# Altium PCB 3-as-manufactured.PcbDoc (part 8 of 16)
Units mil, origin at the board's own origin, x right, y up, seen from the top; angles counter-clockwise.
Board outline 4130.55 x 4250 mil, 8 copper layers (L1_TOP, L2_GND, L3_INT, L4_PWR, L5_PWR, L6_INT, L7_GND, L8_BOT), stack 61 mil thick; 584 components, 489 nets, 2229 pads, 1894 vias.
Unrouted connection lines stored in the file: 4.
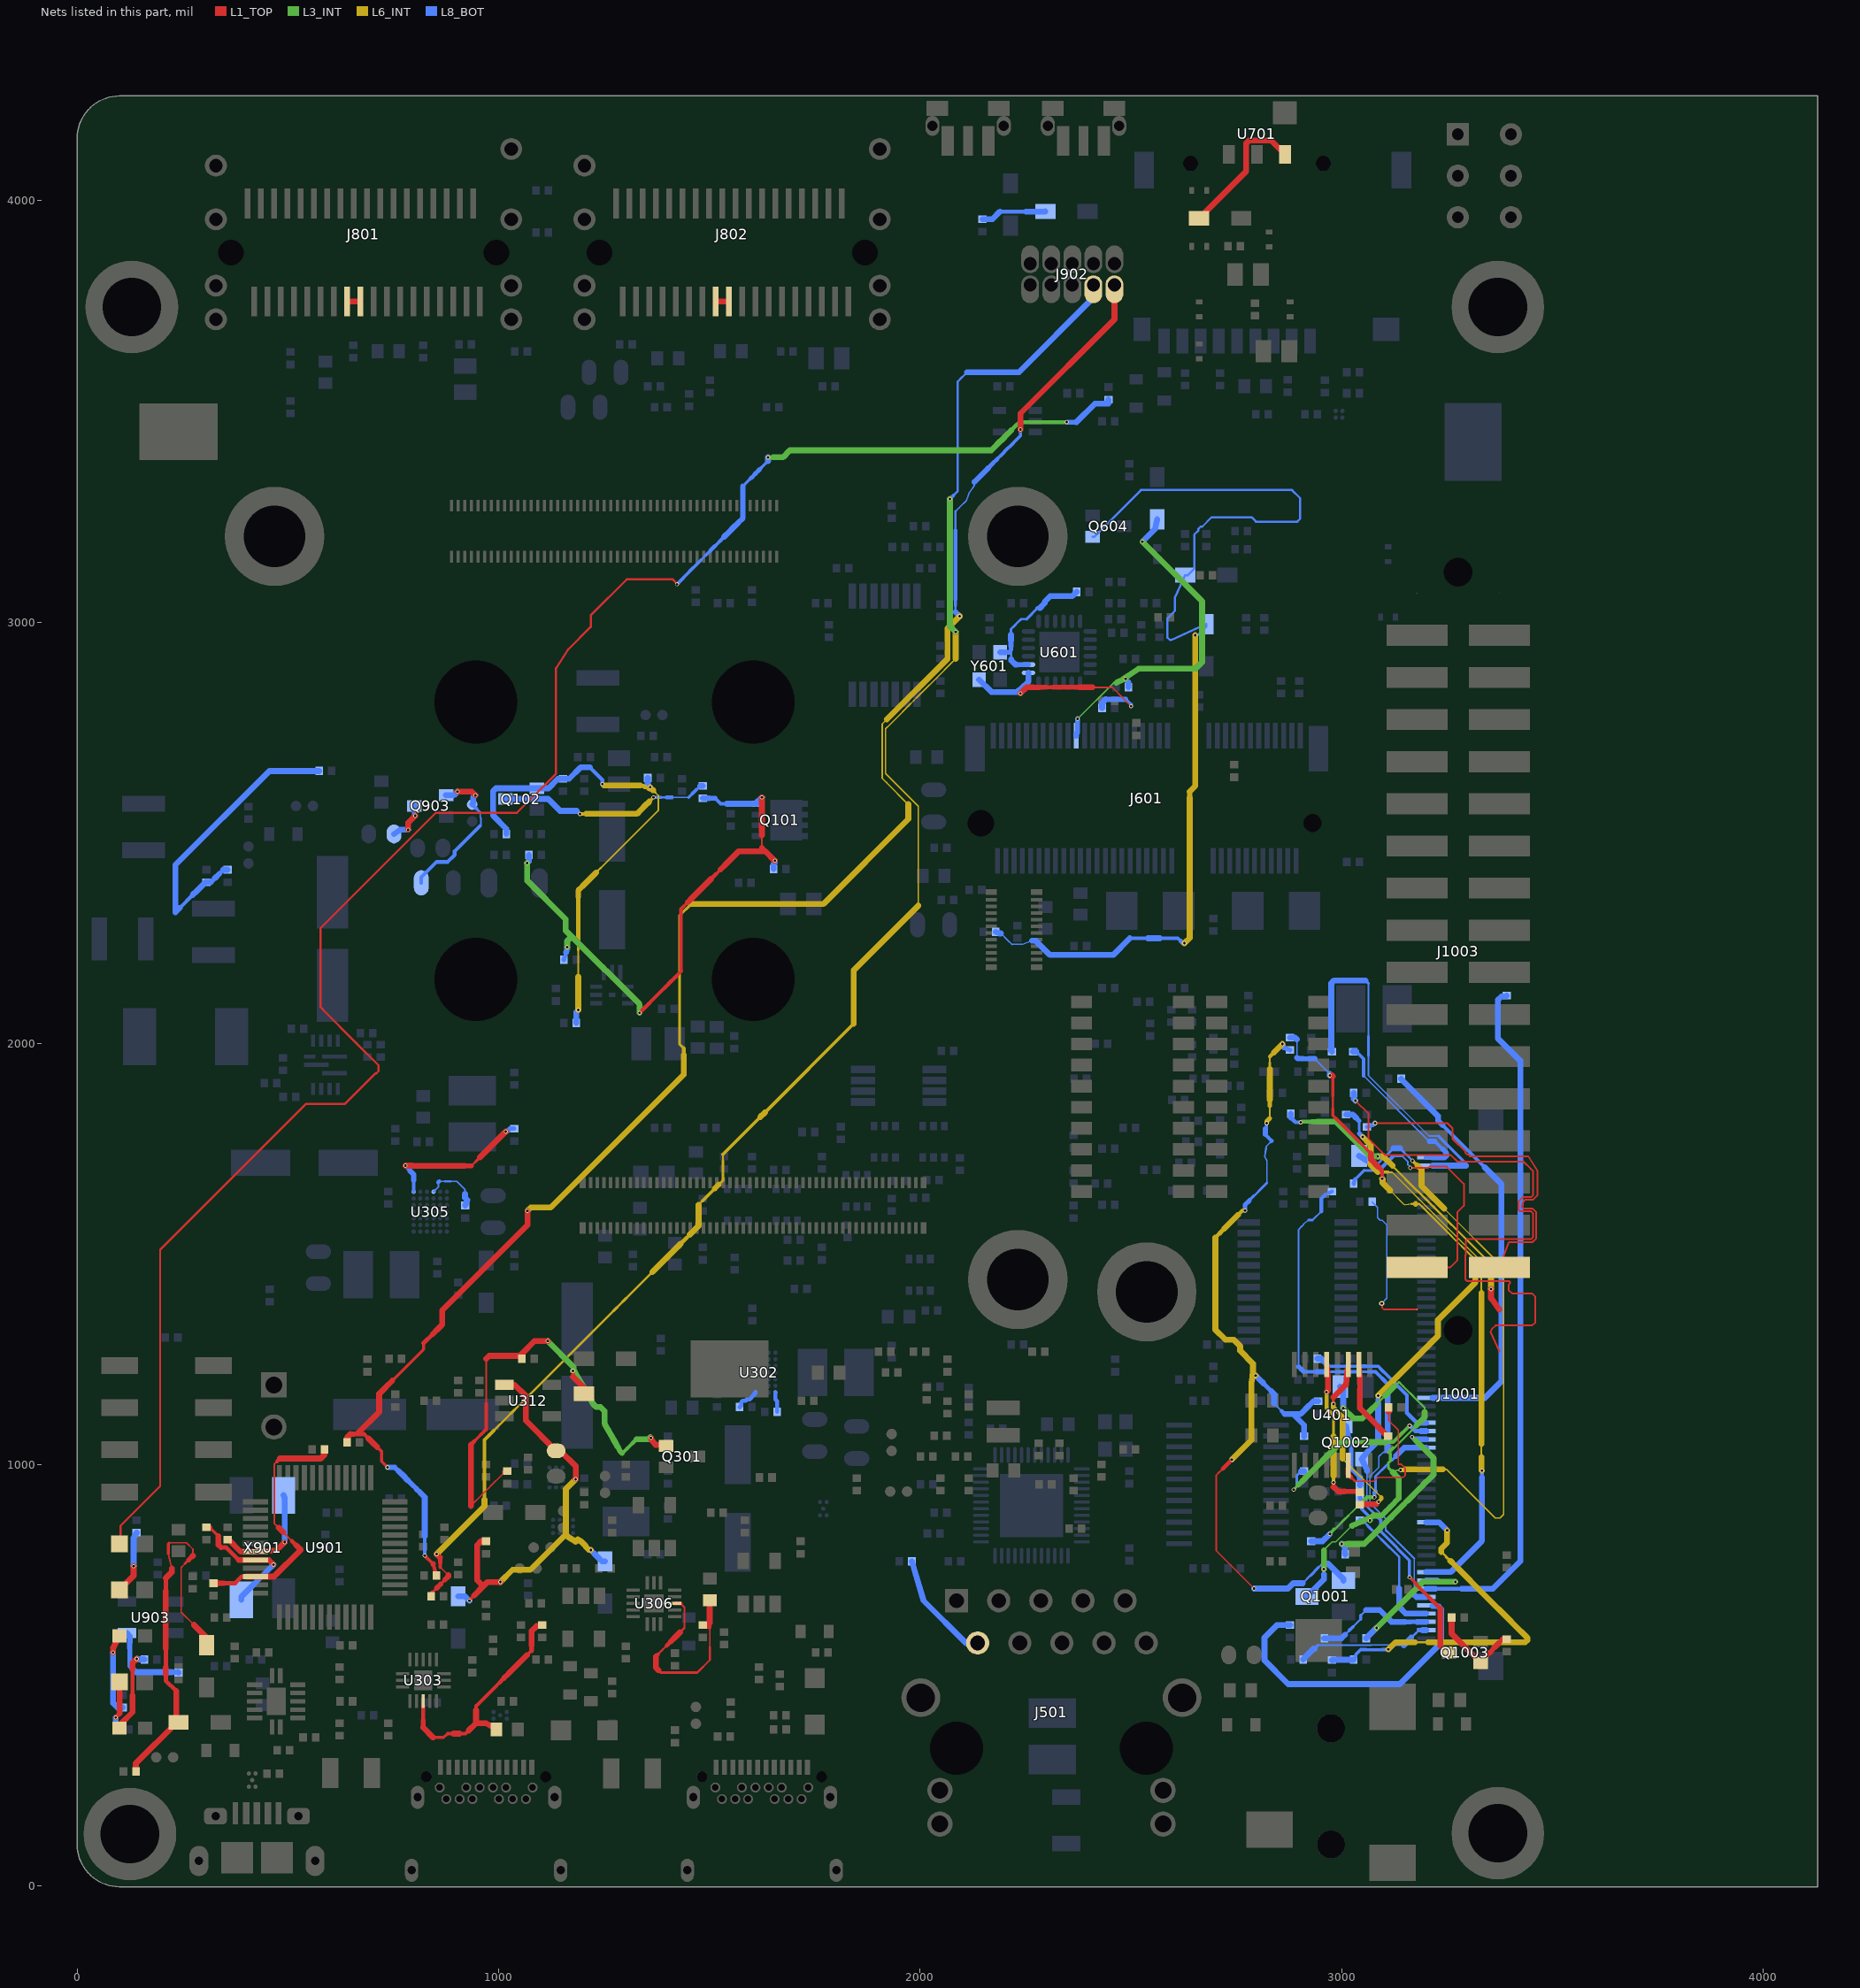
[diagram p14: the nets of this part, all layers, seen from the top]

## Via types
v1: diameter 10, hole 5.9, L1_TOP to L8_BOT, tented both sides, 1703 vias
v2: diameter 12, hole 5.9, L1_TOP to L8_BOT, tented both sides, 110 vias
v3: diameter 10, hole 6, L1_TOP to L8_BOT, tented both sides, 69 vias
v4: diameter 12, hole 6, L1_TOP to L8_BOT, tented both sides, 12 vias

## Nets (pads, with @x,y where several pads share a name; then routed paths per layer and width w, separated by ;. In a path a pad name is that pad's centre, name@x,y a point inside that pad or via, vN(x,y) a via of type N, cw(c..) or ccw(c..) an arc to the next point about the centre after c; other vN are vias at no path point) (continued)
NetC138_2: C138.2 C159.2 Q101.4 R125.2 R129.1 | length 1429.6
  L1_TOP w3.5: 1624.27,2464.92 1624.27,2494.33
  L1_TOP w7.92: 1433,2171.86 1432.35,2172.51 1432.35,2319.16 1448.55,2335.37 ; 1515.45,2402.27 1526.28,2413.09
  L1_TOP w8.94: v1(1334.16,2073.02) 1344.49,2083.35 1354.81,2093.67 1365.13,2104 1385.78,2124.64 1396.11,2134.97 1406.43,2145.29 1416.76,2155.62 1433,2171.86
  L1_TOP w9.96: 1504.3,2391.12 1515.45,2402.27
  L1_TOP w12.01: 1624.27,2464.92 1632.52,2456.67
  L1_TOP w13.03: 1526.28,2413.09 1537.1,2423.91
  L1_TOP w14.05: 1448.55,2335.37 1459.7,2346.52 1493.15,2379.97 1504.3,2391.12 ; 1537.1,2423.91 1569.57,2456.38 1632.23,2456.38 1654.77,2433.85 v1(1655.34,2433.85) ; 1624.27,2494.33 v1(1624.27,2584.29)
  L3_INT w14.05: v1(1067.46,2428.15) 1067.46,2386.32 1158.4,2295.37 1158.4,2268.78 1172.86,2254.32 ; v1(1162.12,2228.81) 1162.12,2243.59 1168.5,2249.97 1172.86,2254.32 ; v1(1334.16,2073.02) 1334.16,2093.02 1172.86,2254.32
  L8_BOT w7.92: 1513.37,2582.19 1520,2575.55 1526.63,2568.92
  L8_BOT w8.94: C138.2@1156.87,2206.91 1159.62,2216.08 ; 1526.63,2568.92 1541.28,2568.92
  L8_BOT w10.99: C138.2@1154.36,2198.5 C138.2@1156.87,2206.91 ; 1498.83,2582.19 1513.37,2582.19
  L8_BOT w13.03: 1599.84,2568.92 Q101.4@1610.86,2568.92
  L8_BOT w14.05: v1(1067.46,2428.15) 1071.42,2432.12 R125.2@1071.42,2447.52 ; 1159.62,2216.08 1162.37,2225.26 1162.37,2228.55 v1(1162.12,2228.81) ; R129.1@1484.31,2582.17 1498.83,2582.19 ; 1541.28,2568.92 1599.84,2568.92 ; Q101.4@1610.86,2568.92 1610.85,2570.87 v1(1624.27,2584.29) ; C159.2@1652.02,2414.32 1652.03,2426.49 1655.34,2429.8 v1(1655.34,2433.85)
NetC145_1: C145.1 Q102.1 R131.2 R133.1 R134.2 | length 1209.5
  L6_INT w3.83: 1241.3,2415.96 1262.39,2437.05 1272.94,2447.6 1346.75,2521.42 1357.3,2531.96 1378.39,2553.05 1378.39,2588.95 1372.22,2595.12
  L6_INT w4.85: 1188.57,2158.48 1188.57,2221.48 ; 1230.75,2405.42 1241.3,2415.96 ; 1366.06,2601.28 1372.22,2595.12
  L6_INT w5.87: 1188.57,2221.48 1188.57,2237.23
  L6_INT w7.92: v1(1245.66,2615.72) v1@1248.62,2612.76
  L6_INT w9.96: 1345.98,2609.53 v1@1355.69,2606.29
  L6_INT w10.99: 1188.57,2237.23 1188.57,2347.48 ; 1336.26,2612.76 1345.98,2609.53
  L6_INT w13.03: 1188.57,2347.48 1188.57,2363.23 1199.12,2373.78
  L6_INT w14.05: v1(1188.57,2079.73) 1188.57,2158.48 ; 1199.12,2373.78 1230.75,2405.42 ; v1@1248.62,2612.76 1336.26,2612.76 ; v1(1359.12,2608.19) 1357.23,2606.29 1355.69,2606.29 1357.97,2605.36 1361.32,2604 1366.04,2601.29
  L8_BOT w8.94: 1215.84,2655.34 1225.77,2645.4 1235.71,2635.46 1245.65,2625.53 v1(1245.66,2615.72)
  L8_BOT w9.96: 1183.87,2075.03 v1(1188.57,2079.73)
  L8_BOT w14.05: R133.1@1018,2497.33 1018.01,2509.45 986.58,2540.88 986.58,2599.08 993.36,2605.85 1090.48,2605.85 1117.91,2605.85 1140.35,2628.29 1167.09,2628.29 1194.14,2655.34 1215.84,2655.34 ; R134.2@1183.87,2049.11 1183.87,2075.03 ; R131.2@1353.43,2630.14 1353.42,2613.89 v1(1359.12,2608.19)
NetC160_1: C160.1 R135.2 R136.1 | length 711.6
  L8_BOT w8.94: 242.66,2321.61 252.88,2331.83 263.1,2342.06 273.33,2352.28
  L8_BOT w10.99: 316.79,2382.95 326.62,2392.79 ; 336.46,2402.62 C160.1@346.29,2412.46
  L8_BOT w14.05: 242.66,2321.61 232.43,2311.39 232.42,2423.45 455.69,2646.73 R136.1@573.76,2646.74 ; 273.33,2352.28 283.55,2362.51 293.77,2372.73 304,2382.95 316.79,2382.95 ; 326.62,2392.79 336.46,2402.62 ; C160.1@346.29,2412.46 C160.1@356.28,2412.48
NetC315_1: C315.1 U302.A6 | length 47.5
  L8_BOT w9.96: U302.A6@1656.38,1171.76 1656.39,1155.07 1660.52,1150.94 C315.1@1660.52,1126
NetC316_1: C316.1 U302.A3 | length 58.2
  L8_BOT w9.96: C316.1@1571.53,1137.05 1575.55,1141.07 1575.55,1149.11 1578.72,1152.28 1585.71,1152.28 1588.47,1155.04 1595.02,1155.04 1606.38,1166.39 1606.38,1168.99 U302.A3@1609.14,1171.76
NetC319_1: C319.1 R349.2 U303.3 | length 557.1
  L1_TOP w6.9: 844.07,353 869.14,353 878.1,361.96
  L1_TOP w7.92: 878.1,361.96 892.43,361.96 ; 906.77,361.96 921.1,361.96 928.44,369.31 ; 989.92,471.48 1000.92,482.47 ; 1066.89,548.45 1077.89,559.44
  L1_TOP w8.94: 945.94,417.58 945.94,427.5 989.92,471.48
  L1_TOP w9.96: 820.77,392.9 U303.3@820.77,428.31 ; 1000.92,482.47 1011.91,493.47
  L1_TOP w10.99: 820.77,377.43 820.77,392.9
  L1_TOP w12.01: 1077.89,559.44 1077.89,571.28
  L1_TOP w13.03: 1011.91,493.47 1022.91,504.46 ; 1077.89,571.28 1077.89,583.12
  L1_TOP w14.05: 820.77,377.43 820.77,376.3 844.07,353 ; 892.43,361.96 906.77,361.96 ; 928.44,369.31 945.94,386.81 ; 945.94,417.58 945.94,386.81 ; C319.1@994.24,372.33 969.66,386.8 945.94,386.81 ; 1022.91,504.46 1066.89,548.45 ; 1077.89,583.12 1077.89,605.55 1089.87,617.53 1100.78,617.53 R349.2@1102.77,619.51
NetC330_1: C330.1 U305.A6 | length 364.4
  L1_TOP w4.85: 935,1709.5 945.21,1719.71
  L1_TOP w6.9: 945.21,1719.71 955.42,1729.92
  L1_TOP w12.01: 919.32,1709.5 935,1709.5
  L1_TOP w14.05: v1(778.69,1710.01) 793.4,1710.01 793.92,1709.5 919.32,1709.5 ; 955.42,1729.92 v1(1016.68,1791.17)
  L8_BOT w7.92: U305.A6@797.98,1648.08 797.99,1675.46 ; v1(1016.68,1791.17) v1@1019.39,1791.17
  L8_BOT w9.96: v1(778.69,1710.01) 788.26,1700.44 788.26,1699.48
  L8_BOT w10.99: v1@1019.39,1791.17 1026.43,1798.21 C330.1@1036.41,1798.22
  L8_BOT w13.03: 788.26,1699.48 797.99,1689.16 797.99,1675.46
NetC333_1: C333.1 U305.A3 | length 140.3
  L8_BOT w3.5: 848.78,1651.63 856.46,1659.31
  L8_BOT w3.83: 856.46,1659.31 856.46,1670.47 ; 858.72,1672.73 872.16,1672.73 ; 885.59,1672.73 900.71,1672.73 919.66,1653.77 919.66,1643.13
  L8_BOT w4.85: U305.A3@845.22,1648.08 848.78,1651.63 ; 872.16,1672.73 885.59,1672.73
  L8_BOT w9.96: 856.46,1670.47 858.72,1672.73
  L8_BOT w14.05: 919.66,1643.13 919.66,1634.16 925.12,1628.69 C333.1@920.28,1615.61
NetC335_1: C335.1 R350.2 U306.3 | length 502.6
  L1_TOP w3.83: 1500.9,567.49 1500.9,613.59
  L1_TOP w4.85: 1376.61,549.11 1387.26,559.77 1397.92,570.43 ; 1429.9,602.4 1440.56,613.06 1440.56,661.92 U306.3@1431.32,671.16 ; 1471.11,506.96 1500.9,536.75 1500.9,567.49
  L1_TOP w5.87: 1378.58,512.85 1384.47,506.96 1471.11,506.96
  L1_TOP w6.9: 1498.74,615.74 1500.9,613.59
  L1_TOP w9.96: 1372.7,545.2 1376.61,549.11 ; 1397.92,570.43 1408.58,581.09 ; U306.3@1417.4,671.15 U306.3@1431.32,671.16
  L1_TOP w12.01: 1496.1,618.4 1498.74,615.75 1498.95,616.95 1500.37,625.11
  L1_TOP w14.05: 1372.7,545.2 1372.7,518.74 1378.58,512.85 ; 1408.58,581.09 1419.24,591.75 1429.9,602.4 ; R350.2@1484.31,619.51 1487.99,618.4 1496.1,618.4 ; 1500.37,625.11 1500.37,677.4 C335.1@1500.89,678.77
NetC339_1: C339.1 D308.C D309.C R355.1 U312.1 | length 1029.7
  L1_TOP w7.92: v1(930.5,677.45) 930.5,679.17 941.34,690.01
  L1_TOP w14.05: 941.34,690.01 963.02,711.69 ; R355.1@970.06,818.73 957.92,818.72 948.63,809.43 948.63,726.09 962.96,711.75 963.02,711.69 ; v1(1003.69,721.98) 973.31,721.98 963.02,711.69 ; U312.1@1013.49,1190 1037.12,1190 1064.34,1162.77 1064.34,1104.8 C339.1@1135.95,1033.18 1146.15,1033.19 1182.94,996.4 1182.94,966.94 1182.2,966.2 v1(1182.2,966)
  L6_INT w14.05: v1(1003.69,721.98) 1032.66,750.94 1074.9,750.94 1159,835.04 ; 1181.21,818.69 1165.61,828.43 1159,835.04 ; 1182.2,817.69 1187.51,823 ; v1(1182.2,966) 1159,942.8 1159,835.04 ; 1188.74,822.24 1192.4,819.95 1193.63,819.18 1195.65,817.92 1196.64,816.93 1204.99,808.58 1207.19,804.72 1213.23,798.68 v1(1218.63,797.63)
  L8_BOT w13.03: v1(1218.63,797.63) 1218.63,797.14 1226.27,789.51
  L8_BOT w14.05: D309.C@903.71,687.95 920.01,687.95 v1(930.5,677.45) ; 1226.27,789.51 1235.54,780.24 1244.81,770.97 D308.C@1252.07,770.96
NetC401_1: C401.1 U401.2 | length 199
  L1_TOP w10.99: U401.2@3041.26,1238.52 U401.2@3042.35,1223.5
  L1_TOP w13.03: U401.2@3042.35,1223.5 3043.43,1208.5 ; 3043.43,1178.83 3043.43,1193.67 ; 3076.71,1101.03 3087.81,1089.93
  L1_TOP w14.05: 3043.43,1178.83 3043.43,1134.32 3076.71,1101.03 ; 3043.43,1193.67 3043.43,1208.5 ; 3087.81,1089.93 3087.81,1088.92 3108.99,1067.74 C401.1@3109.98,1067.75
NetC404_2: C404.2 U401.14 | length 351.5
  L1_TOP w3.5: 3031.58,961.6 3032.41,960.77 3050.47,960.77 3051.31,961.6 3056.82,961.6 3057.65,960.77 3076.07,960.77 3086.06,970.75 3146.53,970.75 ; 3111.81,1125.98 3111.81,1105.08 3134.24,1082.65 3134.24,1043.33 3134.5,1043.07 3134.5,1001.67 3134.66,1001.51
  L1_TOP w3.83: 3134.66,1001.51 3134.92,1001.25 3141.97,1001.25 3150.81,992.42 3150.81,975.03 3146.53,970.75
  L1_TOP w5.87: 3022.96,970.22 3031.58,961.6
  L1_TOP w10.99: U401.14@3014.99,988.67 3014.34,978.84 3022.96,970.22
  L1_TOP w12.01: U401.14@3014.99,988.67 U401.14@3015.66,998.52
  L1_TOP w14.05: 3111.81,1125.98 C404.2@3111.81,1136
NetC405_1: C405.1 U401.5 | length 367.3
  L1_TOP w7.92: 2980.82,947.68 v1(2980.82,958.57)
  L1_TOP w12.01: 3007.22,936.77 3041.79,936.77 C405.1@3043.62,934.94
  L1_TOP w14.05: v1(2964.22,1172.86) 2967.47,1176.11 2967.47,1208.5 U401.5@2964.46,1238.52 ; 2980.82,947.68 2991.72,936.77 3007.22,936.77
  L6_INT w5.87: 2980.82,1083.29 2980.82,1114.47
  L6_INT w6.9: 2980.82,1067.7 2980.82,1083.29
  L6_INT w7.92: v1(2980.82,958.57) 2980.82,974.16
  L6_INT w8.94: 2964.22,1145 2964.22,1134.29 2980.82,1117.7 2980.82,1114.47 ; 2964.22,1158.93 v1(2964.22,1172.86)
  L6_INT w9.96: 2964.22,1145 2964.22,1158.93
  L6_INT w14.05: 2980.82,974.16 2980.82,1067.7
NetC405_2: C405.2 U401.3 | length 435
  L1_TOP w6.9: v1(2980.41,1144.53) 2980.41,1152.53
  L1_TOP w7.92: 2980.41,1152.53 2980.41,1160.52
  L1_TOP w8.94: 3081.56,906.52 v1(3087.5,912.46)
  L1_TOP w10.99: U401.3@3014.35,1226.52 U401.3@3015.66,1238.52
  L1_TOP w14.05: 2980.41,1160.53 3010.46,1190.58 3011.76,1202.56 3013.06,1214.54 U401.3@3014.35,1226.52 ; C405.2@3043.63,905.42 3048.93,906.52 3081.56,906.52
  L6_INT w3.5: 3002.49,1014.65 3094,923.15
  L6_INT w8.94: v1(3087.5,912.46) 3094,918.96
  L6_INT w9.96: 3094,918.96 3094,923.15
  L6_INT w10.99: v1(2980.41,1144.53) 2980.41,1136.44 3002.49,1114.36
  L6_INT w14.05: 3002.49,1014.65 3002.49,1114.36
NetC613_1: C613.1 U601.1 Y601.1 | length 551.2
  L1_TOP w3.5: 2455.65,2845.37 2482.52,2818.5 2491.47,2809.55 v1(2500.43,2800.59)
  L1_TOP w3.83: 2408.73,2845.37 2455.65,2845.37
  L1_TOP w8.94: 2299.24,2845.37 2314.88,2845.37
  L1_TOP w10.99: 2283.6,2845.37 2299.24,2845.37 ; 2330.52,2845.37 2361.81,2845.37
  L1_TOP w12.01: 2314.88,2845.37 2330.52,2845.37 ; 2361.81,2845.37 2377.45,2845.37
  L1_TOP w13.03: 2267.96,2845.37 2283.6,2845.37
  L1_TOP w14.05: v1(2237.76,2830.81) 2252.32,2845.37 2267.96,2845.37 ; 2377.45,2845.37 2408.73,2845.37
  L8_BOT w7.92: 2487.94,2816.89 v1@2500.43,2804.4
  L8_BOT w8.94: v1(2500.43,2800.59) v1@2500.43,2804.4
  L8_BOT w12.01: v1@2234.38,2834.19 v1(2237.76,2830.81) ; 2440.3,2816.89 2487.94,2816.89
  L8_BOT w14.05: Y601.1@2139.84,2863.25 2140.08,2863.34 2169.22,2834.2 2227.85,2834.2 ; v1@2234.38,2834.19 2227.85,2834.19 ; U601.1@2256.95,2879.65 2256.95,2859 2240.63,2842.68 2233.17,2837.72 2227.85,2834.19 ; C613.1@2431.67,2796.14 2431.67,2808.27 2440.3,2816.89
NetC614_1: C614.1 U601.2 Y601.3 | length 340.7
  L8_BOT w5.87: 2212.86,2928.25 2215.52,2925.59 ; 2215.52,2934.09 2215.52,2925.59 ; 2215.52,2969.85 2215.52,2983.48 2223.46,2991.43 2231.4,2999.37 2239.35,3007.31 2252.32,3007.31 ; 2215.8,2912.31 2215.8,2925.3 2215.52,2925.59
  L8_BOT w6.9: 2252.32,3007.31 2278.33,3033.33
  L8_BOT w9.96: 2278.33,3033.33 2283.72,3033.33
  L8_BOT w10.99: 2215.52,2934.09 2215.52,2942.59
  L8_BOT w12.01: Y601.3@2201.35,2928.25 2212.86,2928.25 ; 2215.52,2942.59 2215.52,2956.22 ; 2229.52,2899.31 U601.2@2256.95,2899.33
  L8_BOT w13.03: 2215.8,2908.99 2215.8,2912.31 ; 2225.49,2899.31 2229.52,2899.31
  L8_BOT w14.05: Y601.3@2189.84,2928.25 Y601.3@2201.35,2928.25 ; 2215.52,2956.22 2215.52,2969.85 ; 2215.8,2908.99 2225.49,2899.31 ; 2283.72,3033.33 2295.34,3044.95 2295.34,3048.33 2308.79,3061.77 2361.01,3061.77 C614.1@2371.09,3071.85
NetC902_1: C902.1 R904.2 U901.46 | length 610.1
  L1_TOP w3.83: 473.69,1008.44 467.21,1001.95 467.21,861.16 477.67,850.7 ; 498.59,829.78 509.05,819.32
  L1_TOP w4.85: 488.13,840.24 498.59,829.78
  L1_TOP w8.94: 473.69,1008.44 480.18,1014.93
  L1_TOP w9.96: 374.43,719.11 390.22,734.9 U901.46@400.94,734.9 ; 509.05,819.32 519.51,808.86
  L1_TOP w10.99: 346.88,719.11 374.43,719.11
  L1_TOP w12.01: 333.11,719.11 346.88,719.11
  L1_TOP w14.05: C902.1@323.11,719.12 333.11,719.11 ; U901.46@400.94,734.9 466.49,734.9 529.98,798.39 519.51,808.86 ; 477.67,850.7 488.13,840.24 ; 480.18,1014.93 577.38,1014.93 586.69,1024.24 R904.2@586.7,1036.39
NetC907_1: C907.1 U901.43 X901.1 | length 267.6
  L1_TOP w12.01: U901.43@447.64,795.68 460.26,796.52
  L1_TOP w13.03: C907.1@358.25,823.01 387.25,794 U901.43@398.97,794 ; U901.43@435.02,794.84 U901.43@447.64,795.68
  L1_TOP w14.05: C907.1@356.28,822.41 C907.1@358.25,823.01 ; U901.43@398.97,794 U901.43@422.4,793.99 U901.43@435.02,794.84 ; 460.26,796.52 472.88,797.36 v1(491.89,816.37)
  L8_BOT w14.05: X901.1@489.23,927.84 491.89,920.82 v1(491.89,816.37)
NetC908_1: C908.1 U901.44 X901.3 | length 322.6
  L1_TOP w6.9: C908.1@313.62,851.93 324.23,841.31 334.5,831.04
  L1_TOP w9.96: 340.96,804.02 353.49,804.02 383.22,774.29
  L1_TOP w12.01: 334.5,810.48 340.96,804.02
  L1_TOP w13.03: 454.38,774.29 v1(465.34,763.34)
  L1_TOP w14.05: C908.1@306.52,851.93 C908.1@313.62,851.93 ; 334.5,810.48 334.5,831.04 ; 383.22,774.29 454.38,774.29
  L8_BOT w14.05: X901.3@389.23,679.8 389.23,687.24 451.99,749.99 v1(465.34,763.34)
NetC917_1: C917.1 U903.4 | length 202.3
  L8_BOT w10.99: 124.26,564.92 124.26,523.04 131.73,515.57
  L8_BOT w13.03: 124.26,564.92 124.26,578.88 ; 224.29,508.1 C917.1@238.44,508.1
  L8_BOT w14.05: U903.4@117.71,600.55 124.26,592.84 124.26,578.88 ; 131.73,515.57 139.2,508.1 224.29,508.1 ; C917.1@238.44,508.1 C917.1@240.16,506.98
NetC1004_2: C1004.2 Q1001.1 R1029.2 R1031.1 | length 2063.6
  L1_TOP w3.5: 2706.73,979.71 2702.5,975.48 2702.5,795.95 v1(2792.15,706.29)
  L1_TOP w4.85: 2706.73,979.71 2717.67,990.65
  L1_TOP w9.96: 2717.67,990.65 v1(2739.56,1012.54)
  L6_INT w4.85: 2829.46,1822.45 2829.46,1851.73 ; 2829.46,1954.23 2829.46,1968.87
  L6_INT w5.87: 2829.46,1939.59 2829.46,1954.23
  L6_INT w8.94: 2700.58,1539.51 2711.28,1550.21 ; 2754.09,1593.02 2764.8,1603.73 v1(2770.57,1603.73) ; 2829.46,1968.87 2839.43,1978.85
  L6_INT w9.96: 2829.46,1851.73 2829.46,1866.37
  L6_INT w10.99: 2711.28,1550.21 2721.99,1560.92 ; v1(2822,1811) 2822,1814.99 2829.46,1822.45
  L6_INT w14.05: 2700.58,1539.51 2700.58,1320.64 2723.94,1297.28 2743.39,1297.28 2759.03,1281.64 2759.03,1270.97 2789.83,1240.17 2789.83,1217.55 ; 2721.99,1560.92 2754.09,1593.02 ; v1(2739.56,1012.54) 2785.79,1058.77 2785.79,1195.62 2788.72,1213.06 2788.79,1213.49 2788.84,1213.7 2789.84,1217.52 ; v1(2795.99,1211.84) 2795.52,1211.84 2789.84,1217.52 ; 2829.46,1866.37 2829.46,1939.59 ; 2839.43,1978.85 v1(2859.38,1998.8)
  L8_BOT w3.5: 2819.02,1741.16 2817.2,1731.26 2822.72,1722.32 2822.72,1669.28 ; 2820.85,1755.37 2833.96,1768.48
  L8_BOT w3.83: 2820.85,1751.06 2820.85,1755.37 ; 2840.2,1145.52 2850.01,1135.71 2857.5,1128.22
  L8_BOT w4.85: 2819.02,1741.16 2820.85,1751.06 ; 2907.83,719.2 2926.3,737.67 ; 2944.76,756.13 2954,765.37
  L8_BOT w5.87: 2791.43,1637.99 2812.29,1658.85 2822.72,1669.28
  L8_BOT w6.9: 2781,1627.56 2791.43,1637.99 ; 2926.3,737.67 2944.76,756.13 ; 2954,765.37 2968.22,765.37
  L8_BOT w7.92: 2818.93,1798.08 2821.6,1800.75 2821.6,1810.6 v1(2822,1811)
  L8_BOT w8.94: 2818.93,1784.25 2826.56,1776.63 2833.96,1769.22 ; 2861.91,1989.26 R1031.1@2869.83,1986.88
  L8_BOT w9.96: 2833.96,1768.48 2833.96,1769.22 ; 2857.5,1128.22 2864.99,1120.74 ; v1(2859.38,1998.8) 2861.91,1996.26 2861.91,1989.26
  L8_BOT w10.99: v1(2770.57,1603.73) 2770.57,1617.12 2781,1627.56 ; 2814.6,1193.23 2833.22,1174.61 ; R1031.1@2869.83,1986.88 R1031.1@2877.74,1984.52
  L8_BOT w12.01: 2818.93,1784.25 2818.93,1798.08
  L8_BOT w13.03: 2922.68,1140.76 2932.69,1150.77
  L8_BOT w14.05: v1(2792.15,706.29) 2872.46,706.29 2885.37,719.2 2907.83,719.2 ; v1(2795.99,1211.84) 2805.3,1202.53 2814.6,1193.23 ; 2833.22,1174.61 2840.2,1167.63 2840.2,1145.52 ; 2864.99,1120.74 2876.15,1120.74 2884.56,1120.73 ; R1029.2@2910.91,1067.74 2910.91,1094.39 2884.56,1120.73 ; 2922.68,1140.76 2902.66,1120.73 2884.56,1120.73 ; 2932.69,1150.77 C1004.2@2944.1,1150.76 ; 2968.22,765.37 3004.19,729.4 Q1001.1@3004.21,725.15
NetD311_A: D311.A Q301.1 R346.1 R360.2 | length 1188.7
  L1_TOP w3.5: 933.66,902.77 943.33,912.44 953.4,922.51 963.47,932.58 973.54,942.66 983.62,952.73 1003.76,972.87 R360.2@1013.83,982.94
  L1_TOP w3.83: 970.16,1160.36 970.16,1251.89
  L1_TOP w4.85: 970.16,1145.11 970.16,1160.36
  L1_TOP w7.92: 942.47,1056.39 970.16,1084.08 ; 970.16,1099.34 970.16,1145.11
  L1_TOP w8.94: 970.16,1084.08 970.16,1099.34 ; 1176.09,1208.97 v1(1176.09,1222.77)
  L1_TOP w9.96: 933.65,1047.57 942.47,1056.39
  L1_TOP w12.01: R360.2@1013.83,982.94 R360.2@1019.83,984.74
  L1_TOP w14.05: 933.65,902.78 933.65,1047.57 ; 970.16,1251.89 977.11,1258.84 1048.18,1258.84 R346.1@1054.83,1252.21 1054.82,1264.33 1084.42,1293.92 v1(1116.11,1293.92) ; 1176.09,1208.97 1200.85,1184.21 D311.A@1202.07,1169.2 ; v1(1361,1064) 1361,1060.78 1371.88,1047.65 Q301.1@1397.07,1045.29
  L3_INT w8.94: 1293.6,1027.72 1304.36,1038.48 1326.52,1060.64
  L3_INT w9.96: 1292.35,1027.72 1293.6,1027.72
  L3_INT w12.01: 1289.04,1031.03 1292.35,1027.72
  L3_INT w13.03: 1282.24,1042.9 1289.04,1031.03
  L3_INT w14.05: v1(1116.11,1293.92) 1177.37,1232.66 v1@1177.37,1226.09 ; v1(1176.09,1222.77) 1177.38,1224.06 v1@1177.38,1226.08 ; 1282.24,1042.9 1274.75,1055.99 1267.26,1069.07 1259.77,1082.15 1252.75,1094.42 1251.03,1099.04 1251.03,1103.36 1251.03,1127.74 1241.64,1137.13 1236.45,1137.13 1231.32,1137.13 1224.25,1144.2 1222.32,1147.58 1214.83,1160.66 1207.34,1173.75 1199.85,1186.83 1192.36,1199.92 1184.87,1213 1178.49,1224.14 v1@1177.38,1226.08 ; 1326.52,1060.64 1355.15,1060.64 v1@1359.85,1065.34
NetD601_C: D601.C J601.55 R627.2 | length 827.9
  L3_INT w3.83: v1(2373.38,2770.54) 2459.25,2856.41
  L3_INT w4.85: 2459.25,2856.41 2465.76,2856.41
  L3_INT w13.03: 2593.97,2889.87 2624.08,2889.87
  L3_INT w14.05: 2465.76,2856.41 2481.34,2864.47 ; v1(2486.96,2865.37) 2486.07,2864.47 2481.34,2864.47 ; 2518.7,2889.87 2492.05,2872.05 2485.51,2867.42 2481.34,2864.47 ; 2518.71,2889.87 2593.97,2889.87 ; v1(2527.46,3191.07) 2669.1,3049.43 2669.1,2904.78 2654.19,2889.87 2624.08,2889.87
  L8_BOT w12.01: J601.55@2370.3,2735.18 2373.38,2738.27 v1(2373.38,2770.54)
  L8_BOT w13.03: v1@2486.96,2864.77 2494.39,2857.34
  L8_BOT w14.05: J601.55@2370.31,2730.52 J601.55@2370.3,2735.18 ; v1@2486.96,2864.77 v1(2486.96,2865.37) ; R627.2@2494.39,2845.94 2494.39,2857.34 ; v1(2527.46,3191.07) 2556.79,3220.39 D601.C@2562.56,3244.2
NetD602_A: D602.A D603.A Q604.1 R623.2 | length 2524.1
  L6_INT w13.03: 2639.5,2582.82 2639.5,2597.93
  L6_INT w14.05: v1(2627,2238) 2627.1,2238 2639.5,2250.41 2639.5,2461.94 2639.5,2582.82 ; 2639.5,2597.93 2652.72,2611.15 v1(2652.72,2968.83)
  L8_BOT w3.5: 2217.43,2235.3 2243.51,2235.3 2254.6,2239.51 2265.69,2243.73
  L8_BOT w3.83: 2191.21,2261.51 2208.69,2244.04 2217.43,2235.3
  L8_BOT w5: Q604.1@2408.97,3202.29 2412.48,3202.3 2523.75,3313.57 2882.27,3313.57 2901.5,3294.34 2901.5,3245.24 2894.76,3238.5 2796.84,3238.5 2786.34,3249 2691.55,3249 2669.4,3226.85 2665.16,3226.85 2660.18,3221.87 2660.18,3217.63 2650.18,3207.63 2650.18,3126.58 2635.19,3111.59 D603.A@2628.68,3111.58 2622.62,3098.34 2616.57,3085.09 2610.51,3071.84 2604.45,3058.58 2604.45,3026.59 2586.87,3009.01 2586.87,2963.27 2592.2,2957.94 2596.34,2957.94 D602.A@2678.68,2995.57 2678.68,2989.07 2659.37,2969.76 2654.96,2969.76 2654.03,2968.83 v1(2652.72,2968.83)
  L8_BOT w7.92: 2497.34,2249.89 2540.13,2249.89 ; 2582.92,2249.89 2611.44,2249.89 2618.33,2243
  L8_BOT w8.94: 2568.66,2249.89 2582.92,2249.89
  L8_BOT w10.99: 2618.33,2243 2623.33,2238 v1(2627,2238)
  L8_BOT w14.05: R623.2@2179.2,2264.9 2188.39,2261.51 2191.21,2261.51 ; 2265.69,2243.73 2274.47,2243.73 2307.95,2210.25 2457.7,2210.25 2497.34,2249.89 ; 2540.13,2249.89 2568.66,2249.89
NetD708_A: D708.A R713.2 | length 4449.3
  L1_TOP w5: D708.A@101.67,814.49 102.5,815.32 102.5,855.59 196.47,949.55 196.47,1510.71 541.99,1856.24 634.32,1856.24 706.76,1928.68 708.96,1928.68 714.48,1934.2 714.48,1948.52 661.83,2001.17 581.9,2081.1 581.9,2081.93 577.03,2086.8 577.03,2274.01 663.57,2360.55 795.89,2492.87 850.41,2547.39 1042.85,2547.39 1135.75,2640.29 1135.75,2891.2 1164.27,2934.78 1218.18,2988.68 1218.18,3016.18 1303.39,3101.39 1413.18,3101.39 1416.72,3097.86 1416.72,3097.64 1423,3091.35 v1(1423,3090)